# Altium PCB Remotor_v1.0.PcbDoc (continued)
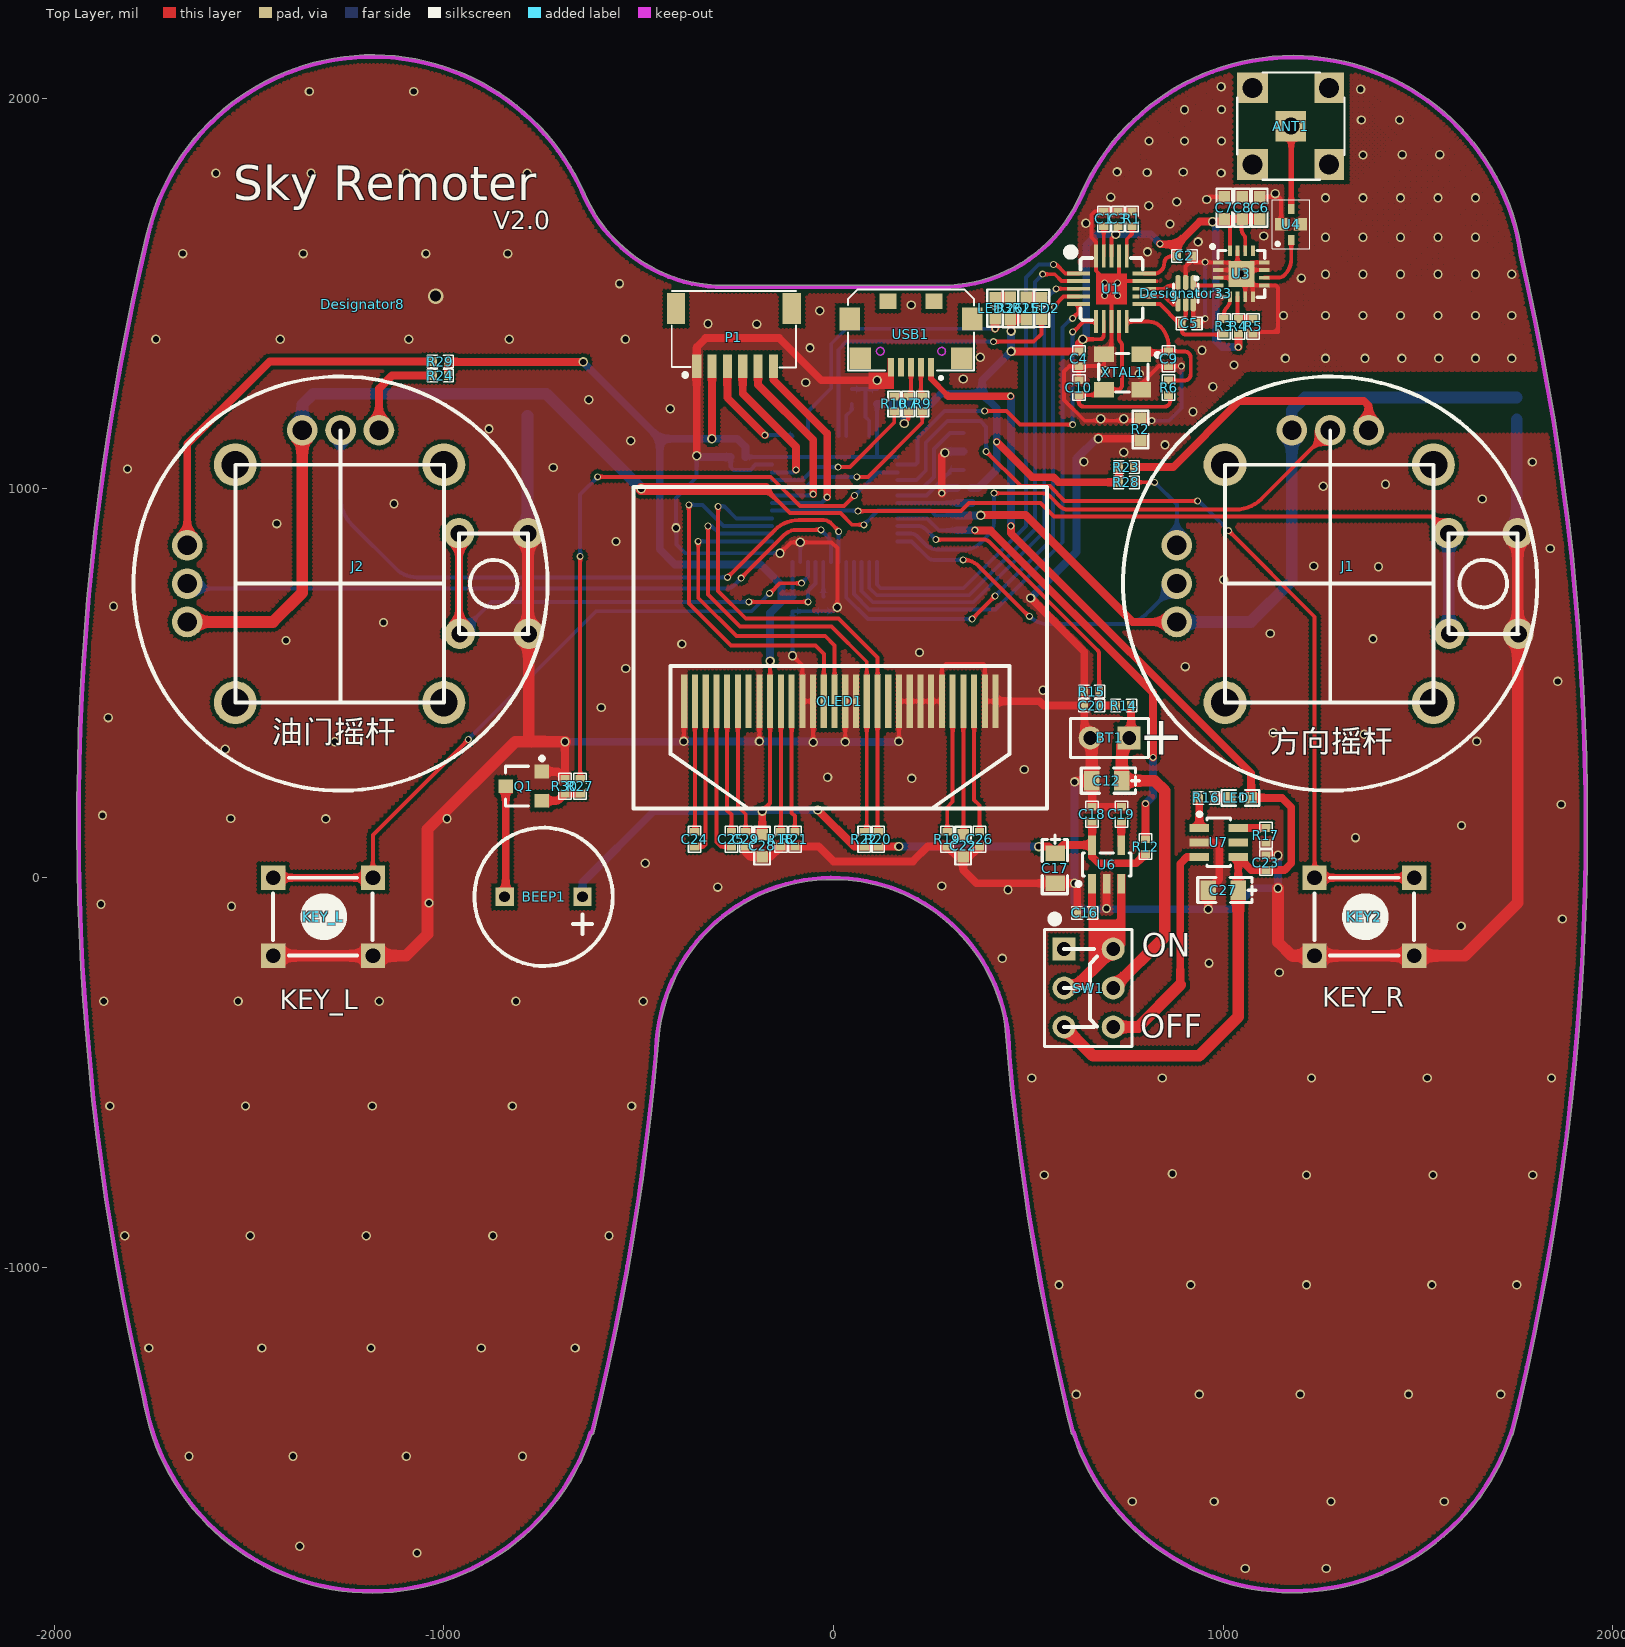
[diagram p0: Top Layer view]
## Nets (pads, with @x,y where several pads share a name; then routed paths per layer and width w, separated by ;. In a path a pad name is that pad's centre, name@x,y a point inside that pad or via, vN(x,y) a via of type N, cw(c..) or ccw(c..) an arc to the next point about the centre after c; other vN are vias at no path point) (continued)
3.3VA: C13.2 R12.2 U5.9 | length 1224.1
  Top Layer w20: v2(363,892) 364,891 403.53,891 820,474.53 v2(820,309) ; R12.2 v2(801,190)
  Bottom Layer w10: U5.9 240.48,922.52 271,892 C13.2
  Bottom Layer w20: C13.2 v2(363,892) ; v2(801,190) 820,209 v2(820,309)
5V: C23.2 C27.1 LED1.1 SW1.3 U7.4 USB1.1 | length 2879.4
  Top Layer w15: USB1.1 250.18,1280.82 293,1238
  Top Layer w20: 293,1238 295,1236 v2(455,1236) ; v2(455.47,903) 455.47,884.53 1072,268 LED1.1 1151,205 1175,181 1175,37 1158,20 C23.2 1072.2,20 U7.4 C27.1
  Top Layer w30: SW1.3 666,-457 939,-457 1039,-357 C27.1
  Bottom Layer w20: v2@455.47,901 v2(455.47,903) v2@455.47,1231.47
ADC_BAT: C20.1 R14.2 R15.1 U5.10 | length 830.3
  Top Layer w10: v2(263,868) 386.93,868 cw(c386.93,850.93) 399,863 677.05,584.95 cw(c665.1,573) 682,573 R15.1
  Top Layer w20: R15.1 C20.1 R14.2
  Bottom Layer w10: U5.10 217.09,902.83 cw(c217.09,876.09) 235.98,895.02 v2(263,868)
ADC_PITCH: J1.2 U5.12 | length 835.4
  Top Layer w10: v2(333,816) cw(c333,758.06) 373.97,799.03 502,671 v2(503,671)
  Bottom Layer w10: U5.12 200.54,863.46 242,822 ccw(c256.49,836.49) 256.49,816 v2@331.47,816 ; v2(503,671) ccw(c551.28,719.28) 551.28,651 735.88,651 ccw(c735.88,751) 806.59,680.29 812.28,685.98 J1.2
ADC_ROLL: J1.5 U5.11 | length 1329.5
  Top Layer w10: v2(412,987) 535,987 cw(c535,955.62) 557.18,977.82 582,953 ccw(c601.31,972.31) 601.31,945 1032,945 ccw(c1032,1039.88) 1099.08,972.78 J1.5
  Bottom Layer w10: U5.11 199.15,883.15 cw(c199.15,862.15) 213.99,877.01 236,855 ccw(c264.97,883.97) 264.97,843 339.79,843 ccw(c339.79,894.21) 375.99,857.99 399.98,881.98 ccw(c370.96,911) 412,911 v2(412,987)
ADC_THRUST: J2.2 U5.19 | length 1785.2
  Top Layer w10: v2(-237,769) -126.43,879.56 cw(c-94,847.13) -94,893 v2(-32,893)
  Bottom Layer w10: J2.2 -1643.7,740 -1641.7,742 -274,742 ccw(c-274,766.14) -256.93,749.07 v2(-237,769) ; v2(-32,893) -32,892 -15.5,875.5 cw(c-37.41,853.59) -6.42,853.59 U5.19
ADC_YAW: J2.5 U5.18 | length 1699.9
  Top Layer w10: v2(-272,771) -150.46,892.54 cw(c-89,831.09) -89,918 -26,918 cw(c-26,889.03) -5.53,909.53 ; -5.51,909.51 13.26,890.74 v2(13.26,888.74)
  Bottom Layer w10: J2.5 -1265,976.42 ccw(c-1165,976.42) -1235.71,905.71 -1123.5,793.5 ccw(c-1069.18,847.82) -1069.18,771 v2(-272,771) ; U5.18 v2(13.26,888.74)
AGND: C13.1 Designator15.2 Designator16.2 J1.1 J1.4 J2.1 J2.4 U5.8 | length 4706.9
  Top Layer w10: -174,998 -112,936 18,936 48,906 v2(78,906)
  Top Layer w20: v1(378,930) 379,931 493,931 767.43,656.57 J1.1
  Top Layer w30: J2.1 -1438.43,656.57 -1363.43,731.57 J2.4 ; v1(-493,998) -174,998
  Bottom Layer w10: v2(78,906) 114.2,942.2 U5.8 249.8,942.2 262,930 C13.1
  Bottom Layer w20: C13.1 v1(378,930)
  Bottom Layer w30: J2.4 -1363.43,1214.57 -1335.5,1242.5 Designator15.2 -737.5,1242.5 v1(-493,998) ; J1.1 1071.57,656.57 1176.57,761.57 J1.4 1176.57,1199.57 1209.5,1232.5 Designator16.2
ANT: U3.10 U4.4 | length 340.1
  Top Layer w10: U3.10 1141.48,1540.16 ; U4.4 1175,1588.04 ; 1141.48,1540.16 ccw(c1141.48,1563.52) 1158,1547 ; 1141.48,1540.16 ccw(c1141.48,1563.52) 1158,1547 ; 1141.48,1540.16 ccw(c1141.48,1563.52) 1158,1547 ; 1141.48,1540.16 ccw(c1141.48,1563.52) 1158,1547 ; 1158,1547 ccw(c1116.96,1588.04) 1175,1588.04 ; 1158,1547 ccw(c1116.96,1588.04) 1175,1588.04 ; 1158,1547 ccw(c1116.96,1588.04) 1175,1588.04 ; 1158,1547 ccw(c1116.96,1588.04) 1175,1588.04
BAT: BT1.1 C12.1 R14.1 SW1.5 | length 884.4
  Top Layer w20: BT1.1 764,364 R14.1
  Top Layer w30: SW1.5 850,-150.98 850,223 823.94,249.06 C12.1 740,340 BT1.1
BAT_CHG: SW1.4 U7.3 | length 583.9
  Top Layer w20: 890,-275 890,36 907.2,53.2 U7.3
  Top Layer w30: SW1.4 782,-383 890,-275
BEEP: R27.2 U5.3 | length 1630.8
  Top Layer w10: R27.2 v2(-650,825) ; v2(-605,1029) -161,1029 -86,954 27,954 v2(54,981)
  Bottom Layer w10: v2(-650,825) -650,984 v2(-605,1029) ; v2(54,981) 54.5,980.5 114.63,1040.63 U5.3
GND: BT1.2 C11.1 C12.2 C14.1 C15.1 C16.1 C17.2 C18.1 C19.1 C20.2 C21.2 C22.1 C23.1 C26.1 C27.2 C28.1 C29.1 Designator15.1 Designator16.1 J1.J1 J2.J1 KEY2.2 KEY_L.2 OLED1.1 OLED1.8 OLED1.12 OLED1.13 OLED1.16 OLED1.17 OLED1.21 OLED1.22 OLED1.23 OLED1.24 OLED1.25 OLED1.29 OLED1.30 P1.1 Q1.1 R2.2 R8.1 R13.2 R15.2 R17.1 R18.1 R19.1 R21.1 R30.2 U5.23 U5.35 U5.47 U6.2 U7.2 USB1.5 X1.2 | length 12737.8
  Top Layer w10: v1(-383.91,349.91) -383.91,452.09 OLED1.1 ; v1(-190.09,349.91) OLED1.8 ; v1(-137,833) -109.16,860.84 v1(-85.16,860.84) -4.84,860.84 10,846 v1(10,694) ; v1(-105,570) -79.85,544.85 OLED1.12 OLED1.13 -52.29,348.29 v1(-52,348) ; v1(30.39,348.61) OLED1.16 OLED1.17 ; v1@118.36,1277 140,1277 147.82,1284.82 USB1.5 ; v1(167.91,349.91) 168.18,350.18 OLED1.21 OLED1.22 OLED1.23 OLED1.24 OLED1.25 278.42,538.42 289,549 385,549 388.65,545.35 OLED1.29 OLED1.30
  Top Layer w20: Q1.1 -707.4,272.4 R30.2 v1(-689,349) ; v1(-351,1083) P1.1 -351,1362 -328,1385 -139,1385 -31,1277 v1(112,1277) v1@118.36,1277 ; C29.1 -225,65 -214,54 C28.1 -161.03,54 R18.1 R21.1 -38.03,80.03 0,42 204,42 242.03,80.03 R19.1 318.03,54 C22.1 ; v2@279,986 v2(278,987) 278,1083 v1(286,1091) ; C26.1 348.97,54 C22.1 ; OLED1.30 529,453 540,442 C20.2 ; v1(506,718) 644,580 R15.2 C20.2 ; v1(619,246) 622.06,249.06 C12.2 664,248.06 C18.1 C19.1@738,182 ; C16.1 626,-21 v1(619,-14) C17.2 367,-14 333,20 C22.1 ; BT1.2 644,374 C20.2 ; v1@680,1132 v1(680,1127) R2.2@780,1127 ; v1(701,-79) 701,-16.4 U6.2 ; U7.2 978.4,90.6 990,79 990,-3.94 C27.2 v1(962,-81) ; C23.1 v1(1141,58)
  Top Layer w30: KEY_L.2@-1438,-200 -1182.09,-200 -1097,-200 -1042,-145 -1042,124 -817,349 -775,349 ; J2.J1@-783.83,883.91 -783.83,627.83 -782,626 -782,356 -775,349 ; v1(-689,349) -775,349 ; BT1.2 663,355 C12.2 ; v1(1141,-27) 1141,-165 1176,-200 1235,-200 1490.91,-200 1620,-200 1756.17,-63.83 J1.J1@1756.17,883.91
  Bottom Layer w10: v1(-404,898) -404,975 -351,1028 v1(-351,1083) ; v1@-403,898 -403,855 -381,833 v1(-137,833) ; C14.1 -264,1055 -256,1047 -213,1047 -199.69,1060.31 U5.35 ; v1(-105,570) C21.2 R13.2 0,684 v1(10,694) ; U5.23 v1(-85.16,860.84) ; R8.1 81,1254 ; U5.47 92,1173 82,1183 82,1253 81,1254 ; v1(112,1277) C11.1 81,1254 ; v1@283,1091 v1(286,1091)
  Bottom Layer w20: v1(-689,349) -384.83,349 v1(-383.91,349.91) v1(-190.09,349.91) -53.91,349.91 -52.61,348.61 v1(30.39,348.61) 166.61,348.61 v1(167.91,349.91) ; v1(-351,1083) -348,1080 C14.1 ; v2(278,987) 291,1000 C15.1 ; v1(286,1091) 289,1094 X1.2 ; v1(506,718) 624,836 624,1076 679,1131 680,1130 v1(680,1127) ; v1(619,246) v1(619,-14) 619,-63 637,-81 v1(962,-81) 1025,-81 1079,-27 v1(1141,-27) v1(1141,58)
  Bottom Layer w30: Designator15.1 -785,885.07 J2.J1@-783.83,883.91 ; Designator16.1 1754,886.07 J1.J1@1756.17,883.91
  other v1: 1057,-1773 1265,-1773 -1069,-1733 -1370,-1716 767,-1601 977,-1601 1277,-1601 1568,-1601 -1654,-1485 -1387,-1485 -1096,-1485 -798,-1485 623,-1326 939,-1326 1198,-1326 1476,-1326 1713,-1326 -1757,-1207 -1467,-1207 -1187,-1207 -904,-1207 -663,-1207 579,-1045 917,-1045 1214,-1045 1536,-1045 1754,-1045 -1819,-919 -1497,-919 -1199,-919 -874,-919 -576,-919 541,-763 1214,-763 1539,-763 1795,-763 870,-760 -1857,-586 -1509,-586 -1184,-586 -824,-586 -518,-586 509,-514 844,-514 1227,-514 1524,-514 1843,-514 -1873,-317 -1528,-317 -1166,-317 -815,-317 -488,-317 1144,-243 964,-219 433,-207 1611,-124 1871,-106 -1545,-73 -1880,-68 -1038,-65 448,-31 -297,-24 278,-21 -483,37 1340,103 1612,134 -1303,151 -1547,152 -992,151.64 -1876,160 1868,188 201,255 -15,258 490,278 -1561,330 -1280,349 1651,350 1362,368 1129,372 -1861,411 -596,437 538,481 1859,504 -533,537 903,542 221,578 -389,600 -1405,609 1385,613 1121,627 -1155,655 -1848,697 1002,765 1399,798 1233,800 1840,845 -558,863 -1429,909 -1128,960 1665,972 1257,1005 1417,1010 -1812,1049 -719,1053 1794,1067 642.85,1068 745,1092 851,1111 -520,1121.37 -884,1152 -419,1204 -628,1227 -71,1271 333,1280 377,1336 -60,1360 -1739,1382 -1420,1382 -1090,1382 -832,1382 -534,1382 -197,1421 -322,1422 -35,1455 200,1470 -549,1525 -1670,1602 -1361,1602 -1046,1602 -836,1602 -1585,1808 -1341,1808 -1096,1808 -786,1808 -1345,2018 -1077,2018
  other v3: -1021,1493
KEY_L: KEY_L.1 U5.22 | length 1795.3
  Top Layer w10: KEY_L.1@-1182.09,0 -1182.09,109.91 v2(-937,355) ; v2(-164,730) -163,730 -137,756 v2(-82,756)
  Top Layer w20: KEY_L.1@-1438,0 KEY_L.1@-1182.09,0
  Bottom Layer w10: v2(-937,355) -937,356 -609,684 -209.89,684 -164,729.89 v2(-164,730) ; v2(-82,756) -65.48,772.52 U5.22
KEY_R: KEY2.1 U5.4 | length 2344.8
  Top Layer w10: v2(392,1094) 481,1005 555.46,1005 593.46,967 v2(935,967) ; v2(1014,891) 1235,670 KEY2.1@1235,0
  Top Layer w20: KEY2.1@1235,0 KEY2.1@1490.91,0
  Bottom Layer w10: U5.4 212.94,1020.94 237,1045 237,1117 292,1172 377,1172 392,1157 v2(392,1094) ; v2@936.5,968.5 v2(1014,891)
KEY_STICK1: J2.J2 U5.21 | length 1297.1
  Top Layer w10: v2(-217,708) v2(-65,708)
  Top Layer w20: J2.J2@-961,883.91 -961,627.83 J2.J2@-959.17,626
  Bottom Layer w10: J2.J2@-959.17,626 -877.17,708 v2(-217,708) ; v2(-65,708) -65,736 -45.79,755.21 U5.21
KEY_STICK2: J1.J2 U5.29 | length 2037.2
  Top Layer w10: v2(63,941) 327,941 348,962 531,962 566,927 1535.91,927 J1.J2@1579,883.91
  Bottom Layer w10: U5.29 61.8,942.2 v2(63,941)
  Bottom Layer w30: J1.J2@1579,883.91 1579,627.83 J1.J2@1580.83,626
LED0: LED2.2 U5.43 | length 797.7
  Top Layer w10: v2(411,1376) 514,1376 534,1396 LED2.2
  Bottom Layer w10: U5.43 13.26,1355.26 34,1376 v2(411,1376)
LED1: LED3.2 U5.39 | length 724.2
  Top Layer w20: LED3.2 414.94,1409.06 v2(415,1409)
  Bottom Layer w10: U5.39 -65.48,1197 -5.5,1256.98 -5.5,1370.5 33,1409 v2(415,1409)
N_GND: C1.1 C2.1 C3.1 C4.1 C5.2 C6.2 C7.2 C8.2 C9.2 C10.1 Designator33.2 Designator33.6 R1.2 R2.1 R5.1 U1.8 U1.14 U1.17 U1.20 U3.1 U3.2 U3.3 U3.7 U3.8 U3.9 U3.11 U3.12 U3.15 U3.17 U4.1 U4.3 XTAL1.2 XTAL1.4 | length 2961.8
  Top Layer w8: U1.14 U1.14@797.74,1531.59
  Top Layer w10: C10.1 C4.1 ; XTAL1.2@676.5,1343.5 XTAL1.2 ; C1.1 671,1710 662,1701 662,1644 674,1632 U1.20 674,1558 713.37,1518.63 713.37,1510.13 ; U1.17 v2@733.06,1532.06 ; XTAL1.4 790,1267 836,1313 C9.2 v2(893,1313) ; U1.14 v2@733.04,1531.32 ; v2(817,1173) 745,1173 645,1173 592,1226 592,1299 606,1313 C4.1 ; Designator33.2 904,1568.8 920,1584.8 920,1588 928.47,1579.53 U3.1 1017.47,1579.53 U3.17@1037.16,1559.84 ; Designator33.6 923.69,1431.31 C5.2 942,1423 v2(954,1435) ; v2@952,1582 v2(954,1580) ; v1@952,1734 965.5,1747.5 C7.2 ; U3.3 1037.16,1540.16 v1(1047,1550) ; U3.2 U3.17@1037.16,1559.84 ; U3.15 U3.17@1037.16,1559.84 ; U3.7 U3.17@1056.84,1527.99 ; U3.8 U3.17@1076.53,1520.47 ; R5.1@1077,1401 1141,1401 1141,1511 ccw(c1131.53,1511) 1131.53,1520.47 U3.9 U3.17@1076.53,1520.47 ; C6.2 1138.5,1747.5 cw(c1138.5,1737) 1149,1737 1149,1678 ccw(c1150,1678) U4.1 U4.3 ; U3.11 1056.84,1559.84 ccw(c1056.84,1550) v1(1047,1550) ; U3.12 1076.53,1579.53 ccw(c1076.53,1550) v1(1047,1550) ; C4.1 688,1313 ; 688,1313 ccw(c688,1320) 695,1320 ; 688,1313 ccw(c688,1320) 695,1320 ; 695,1320 XTAL1.2@695,1342.5 ; XTAL1.2@695,1342.5 ccw(c695,1360.87) XTAL1.2@713.37,1360.87 ; XTAL1.2@695,1342.5 ccw(c695,1360.87) XTAL1.2@713.37,1360.87 ; XTAL1.2@713.37,1360.87 U1.8 713.37,1510.13 ; 713.37,1510.13 ccw(c711,1532.06) v2@733.04,1531.32 ; 713.37,1510.13 ccw(c711,1532.06) v2@733.04,1531.32 ; v2@733.04,1531.32 ccw(c711,1532.06) v2@733.06,1532.06 ; v2@733.04,1531.32 ccw(c711,1532.06) v2@733.06,1532.06 ; U3.17@1037.16,1559.84 v1(1047,1550) ; v1(1047,1550) ccw(c1076.53,1550) U3.17@1056.84,1527.99 ; U3.17@1056.84,1527.99 ccw(c1076.53,1550) U3.17@1076.53,1520.47 ; 1127.34,1401 ccw(c1127.34,1414.66) 1141,1414.66 ; 1127.34,1401 ccw(c1127.34,1414.66) 1141,1414.66 ; 1127.34,1401 ccw(c1127.34,1414.66) 1141,1414.66
  Top Layer w20: C1.1 C3.1 R1.2
  Bottom Layer w10: v2(817,1173) 861,1173 893,1205 v2(893,1313) ; v2(954,1435) v2(954,1580)
  other v1: 686,1178 745,1178 923,1196 974,1260 785,1293 698,1302 1028,1316 1160,1333 1263,1333 1364.5,1333 1459,1333 1553.5,1333 1648,1333 1741,1333 946,1354 1155,1443 1263,1443 1359.25,1443 1455.5,1443 1551.75,1443 1648,1443 1741,1443 1201,1539 1263,1549 1359.25,1549 1455.5,1549 1551.75,1549 1648,1549 1741,1549 806,1606.34 936,1632 1263,1644 1359.25,1644 1455.5,1644 1551.75,1644 1648,1644 1104.75,1647 864,1678 648,1680 809,1725 881,1735 958,1741 1263,1745 1359.25,1745 1455.5,1745 1551.75,1745 1648,1745 712,1747 1134,1756 995,1809 805.03,1810 898,1811.32 728,1811.61 1359,1854.86 1460,1856 1556,1856 810,1891 901,1891 996,1891 1355,1945 1453,1945 901,1971 996,1972 1353,2024 995,2030
  other v2: 696,1494 729,1494 696,1527 729,1527
NetANT1_1: ANT1.1 U4.2 | length 212.4
  Top Layer w15: ANT1.1 1175,1928 U4.2
NetBEEP1_2: BEEP1.2 Q1.3 | length 285.1
  Top Layer w20: BEEP1.2 -841.26,-46.26 Q1.3
NetC1_2: C1.2 U1.19 | length 76.1
  Top Layer w10: U1.19 693.69,1671.69 C1.2
NetC5_1: C5.1 Designator33.5 R3.1 U1.11 | length 315.5
  Top Layer w10: U1.11 837.74,1472.26 887,1423 C5.1 ; Designator33.5@904,1484.28 Designator33.5 904,1433 C5.1 ; R3.1 cw(c1000,1396) 1000,1394 905,1394 cw(c905,1405) 894,1405 C5.1
NetC16_2: 
NetC19_2: C19.2 U6.4 | length 61.2
  Top Layer w20: C19.2@738,144 C19.2@738.8,143.2 ; U6.4 C19.2@738.8,143.2 ; C19.2 738.8,143.8 C19.2@738.8,143.2
NetC22_2: C22.2 OLED1.27 | length 342.7
  Top Layer w10: C22.2 333.54,110.97 OLED1.27
NetC24_1: C24.1 OLED1.3 | length 398.1
  Top Layer w10: C24.1 -332.97,80.03 -327.88,85.12 OLED1.3
NetC24_2: C24.2 OLED1.2 | length 335.2
  Top Layer w10: C24.2 -355.44,118.59 OLED1.2
NetC25_1: C25.1 OLED1.5 | length 339.4
  Top Layer w10: OLED1.5 -272.76,172.76 -262,162 C25.1
NetC25_2: C25.2 OLED1.4 | length 404.7
  Top Layer w10: OLED1.4 -300.32,91.32 -289.03,80.03 C25.2
NetC26_2: C26.2 OLED1.28 | length 340.7
  Top Layer w10: OLED1.28 361.09,199.91 375,186 C26.2
NetJ1_3: J1.3 R28.1 | length 238.3
  Top Layer w10: R28.1 v2(824,1015)
  Bottom Layer w10: v2(824,1015) 881.3,957.7 J1.3
NetJ1_6: J1.6 R23.2 | length 740.9
  Top Layer w20: R23.2 872,1054 1042,1224 1361,1224 1373.43,1211.57 J1.6
NetJ2_3: J2.3 R29.1 | length 978.3
  Top Layer w20: J2.3 -1658.7,1113.3 -1447,1325 R29.1
NetJ2_6: J2.6 R24.2 | length 259.2
  Top Layer w20: J2.6 -1166.57,1255.43 -1133,1289 R24.2
NetLED1_2: LED1.2 R16.2 | length 41.5
  Top Layer w20: R16.2 1017.44,205 LED1.2
NetLED2_1: LED2.1 R25.2 | length 42.8
  Top Layer w10: R25.2@492.06,1496.53 R25.2@495.06,1496.53
  Top Layer w20: R25.2@495.06,1490.5 532.06,1490.5 LED2.1
NetLED3_1: LED3.1 R26.2 | length 41.6
  Top Layer w10: R26.2@454.06,1497 R26.2@456,1497
  Top Layer w20: LED3.1 452.56,1489 R26.2@454.06,1490.5
NetOLED1_10: OLED1.10 R18.2 | length 335
  Top Layer w10: R18.2@-134.97,118.06 OLED1.10
NetOLED1_11: OLED1.11 R21.2 | length 338.5
  Top Layer w10: OLED1.11 -107.41,166.41 -99,158 R21.2
NetOLED1_26: OLED1.26 R19.2 | length 340.8
  Top Layer w10: R19.2 292,181 305.98,194.98 OLED1.26
NetQ1_2: Q1.2 R27.1 R30.1 | length 106.4
  Top Layer w20: Q1.2 -707.4,197.6 R30.1 R27.1
NetR1_1: R1.1 U1.16 | length 81.5
  Top Layer w10: U1.16 752.74,1638.74 766,1652 R1.1
NetR3_2: R3.2 U3.5 | length 120.4
  Top Layer w10: R3.2@1002,1439 1002,1444.69 ; U3.5 1017.47,1482.04 cw(c991.96,1482.04) 1010,1464 ; 1002,1444.69 cw(c1029.31,1444.69) 1010,1464 ; 1002,1444.69 cw(c1029.31,1444.69) 1010,1464 ; 1002,1444.69 cw(c1029.31,1444.69) 1010,1464 ; 1002,1444.69 cw(c1029.31,1444.69) 1010,1464
NetR4_1: R4.1 R5.2 U3.6 | length 108.9
  Top Layer w10: U3.6 1037.16,1444.65 ; 1037.16,1444.65 ccw(c1045.15,1444.65) R4.1@1039.5,1439 ; 1037.16,1444.65 ccw(c1045.15,1444.65) R4.1@1039.5,1439 ; 1037.16,1444.65 ccw(c1045.15,1444.65) R4.1@1039.5,1439 ; 1037.16,1444.65 ccw(c1045.15,1444.65) R4.1@1039.5,1439
  Top Layer w20: R4.1 R5.2
NetR7_1: R7.1 R10.1 USB1.3 | length 113.9
  Top Layer w10: R10.1 R7.1 199,1242 USB1.3
NetR8_2: R8.2 U5.44 | length 88.7
  Bottom Layer w10: U5.44 32.95,1185.95 47,1200 R8.2
NetR9_1: R9.1 USB1.2 | length 76.4
  Top Layer w10: USB1.2 224.59,1238.41 R9.1
NetR13_1: R13.1 U5.20 | length 88.4
  Bottom Layer w10: U5.20 -26.11,722.11 R13.1
NetR16_1: R16.1 U7.1 | length 77.4
  Top Layer w20: R16.1 939,204 U7.1
NetR17_2: R17.2 U7.6 | length 71
  Top Layer w20: U7.6 R17.2
NetU1_12: Designator33.4 U1.12 | length 133.7
  Top Layer w10: U1.12 843.06,1491.95 ; Designator33.4 869.56,1472.44 855,1487 ; 843.06,1491.95 cw(c843.06,1475.06) 855,1487 ; 843.06,1491.95 cw(c843.06,1475.06) 855,1487 ; 843.06,1491.95 cw(c843.06,1475.06) 855,1487 ; 843.06,1491.95 cw(c843.06,1475.06) 855,1487
NetU1_13: Designator33.3 U1.13 | length 153.8
  Top Layer w10: U1.13 845.86,1511.63 ; Designator33.3@884.32,1519.72 865.39,1519.72 ; 845.86,1511.63 ccw(c845.86,1523.14) 854,1515 ; 845.86,1511.63 ccw(c845.86,1523.14) 854,1515 ; 845.86,1511.63 ccw(c845.86,1523.14) 854,1515 ; 845.86,1511.63 ccw(c845.86,1523.14) 854,1515 ; 854,1515 cw(c865.39,1503.61) 865.39,1519.72 ; 854,1515 cw(c865.39,1503.61) 865.39,1519.72 ; 854,1515 cw(c865.39,1503.61) 865.39,1519.72 ; 854,1515 cw(c865.39,1503.61) 865.39,1519.72
NetU2_1: Designator33.1 U3.4 | length 68.3
  Top Layer w10: U3.4 Designator33.1@924.44,1520.47 ; Designator33.1@923.69,1519.72 cw(c924.44,1519.72) Designator33.1@924.44,1520.47 ; Designator33.1@923.69,1519.72 cw(c924.44,1519.72) Designator33.1@924.44,1520.47 ; Designator33.1@923.69,1519.72 cw(c924.44,1519.72) Designator33.1@924.44,1520.47 ; Designator33.1@923.69,1519.72 cw(c924.44,1519.72) Designator33.1@924.44,1520.47
NetU5_5: U5.5 X1.1 | length 268.7
  Bottom Layer w10: U5.5 230.26,1001.26 258,1029 258,1100 299.24,1141.24 X1.1
NetU5_6: U5.6 X1.3 | length 196.2
  Bottom Layer w10: U5.6 238.57,981.57 303.76,1046.76 X1.3
NRF_CE: U1.1 U5.13 | length 1306.6
  Top Layer w10: v2(565,1574) 572,1574 595,1551 U1.1
  Bottom Layer w10: U5.13 111.69,752.31 121,743 334,743 494,903 494,1541 527,1574 v2(565,1574)
NRF_CSN: U1.2 U5.14 | length 1331.7
  Top Layer w10: v2(537,1549) 568,1549 585.68,1531.32 U1.2
  Bottom Layer w10: U5.14 92,744.16 111.16,725 348,725 517,894 517,1529 v2(537,1549)
NRF_IRQ: U1.6 U5.2 | length 867.3
  Top Layer w10: v2(388,1198) 444,1198 479,1163 v2(614,1163) ; v2(614,1401) 616,1401 642.26,1427.26 U1.6
  Bottom Layer w10: U5.2 210.31,1060.31 216,1066 216,1129 285,1198 v2(388,1198) ; v2(614,1163) 614,1399 613,1400 v2(614,1401)
NRF_MISO: U1.5 U5.16 | length 1335.2
  Top Layer w10: v2(614,1436) 629,1451 U1.5
  Bottom Layer w10: U5.16 52.63,727.85 91.48,689 416,689 588,861 588,1413 611,1436 v2(614,1436)
NRF_MOSI: U1.4 U5.17 | length 1406.1
  Top Layer w10: v2(356,664) v2(415,723) v2@409,723 ; v2(568,1465) 568,1469 590.95,1491.95 U1.4
  Bottom Layer w10: U5.17 32.95,719.7 88.64,664 v2(356,664) ; v2(415,723) 564,872 564,1461 v2(568,1465)
NRF_SCK: U1.3 U5.15 | length 1323.1
  Top Layer w10: v2(571.63,1511.63) U1.3
  Bottom Layer w10: U5.15 72.32,736.01 101.32,707 359,707 541,889 541,1481 v2(571.63,1511.63)
O_CLK: OLED1.18 R22.2 U5.26 | length 1266.3
  Top Layer w10: v2(-322,903) -322,727 -240,645 -5,645 85.5,554.5 OLED1.18 85.5,124.54 R22.2
  Bottom Layer w10: v2(-322,903) -313,903 -293.15,883.15 U5.26
O_DC: OLED1.15 U5.25 | length 877.9
  Top Layer w10: v2(-347,863.46) -347,718 -249,620 -21,620 2.83,596.17 OLED1.15
  Bottom Layer w10: v2(-347,863.46) U5.25
O_MOSI: OLED1.19 R20.1 U5.28 | length 1295.3
  Top Layer w10: v2(-296,953) -296,736 -225,665 13,665 113.06,564.94 OLED1.19 113.06,119.97 R20.1
  Bottom Layer w10: v2(-296,953) -280,953 -249.52,922.52 U5.28
O_RST: OLED1.14 U5.27 | length 1010
  Top Layer w10: v2(-371,957) -371,704 -263,596 -46,596 -24.73,574.73 OLED1.14
  Bottom Layer w10: v2(-371,957) -336,957 -281.83,902.83 U5.27
RST: C15.2 R11.1 U5.7 | length 191.2
  Bottom Layer w10: U5.7 270.89,961.89 271,962 C15.2
  Bottom Layer w20: C15.2 R11.1
SWD_CLK: P1.3 U5.37 | length 289.2
  Top Layer w20: P1.3 -272.26,1232.26 v2(-176,1136)
  Bottom Layer w10: v2(-176,1136) -107.7,1136 U5.37
SWD_DIO: P1.4 U5.34 | length 387.3
  Top Layer w20: P1.4 -232.89,1242.89 -96,1106 v2(-96,1047)
  Bottom Layer w10: U5.34 -102.37,1040.63 v2(-96,1047)
USART_RX: P1.5 U5.31 | length 494.5
  Top Layer w20: P1.5 -193.52,1265.52 -51.91,1123.91 v2(-51.91,984.41)
  Bottom Layer w10: U5.31 -54.75,981.57 v2(-51.91,984.41)
USART_TX: P1.6 U5.30 | length 541.5
  Top Layer w20: P1.6 -154.15,1278.15 -16,1140 v2(-16,977)
  Bottom Layer w10: U5.30 -31.11,961.89 v2(-16,977)
USB_DM: R9.2 U5.32 | length 484.1
  Top Layer w10: v2(60,1029) 89,1029 228,1168 R9.2
  Bottom Layer w10: U5.32 -71.74,1001.26 -44,1029 v2(60,1029)
USB_DP: R10.2 U5.33 | length 403.9
  Top Layer w10: v2(12,1054) 42,1054 156,1168 R10.2
  Bottom Layer w10: U5.33 -79.06,1020.94 -46,1054 v2(12,1054)
VCC: C16.2 SW1.2 SW1.6 U6.1 U6.3 | length 496.7
  Top Layer w20: U6.1 664,-102 685,-123 723,-123 ; 717.98,-128.02 723,-123 ; U6.3 738.8,-107.2 723,-123
  Top Layer w30: SW1.2 617.98,-283 SW1.6 717.98,-128.02
XC1: C9.1 R6.2 U1.10 XTAL1.1 | length 825.6
  Top Layer w10: U1.10 809.4,1427.26 ; XTAL1.1 XTAL1.1@795,1343.5 ; XTAL1.1@795,1343.5 cw(c813.11,1325.39) XTAL1.1@813.11,1351 ; XTAL1.1@795,1343.5 cw(c813.11,1325.39) XTAL1.1@813.11,1351 ; XTAL1.1@795,1343.5 cw(c813.11,1325.39) XTAL1.1@813.11,1351 ; XTAL1.1@795,1343.5 cw(c813.11,1325.39) XTAL1.1@813.11,1351 ; XTAL1.1@795,1343.5 821,1343.5 828.5,1351 ; 809.4,1427.26 cw(c809.4,1385.4) 839,1415 ; 809.4,1427.26 cw(c809.4,1385.4) 839,1415 ; 809.4,1427.26 cw(c809.4,1385.4) 839,1415 ; 809.4,1427.26 cw(c809.4,1385.4) 839,1415 ; XTAL1.1@813.11,1351 828.5,1351 ; 828.5,1351 C9.1 ; 839,1415 cw(c788.3,1364.3) 860,1364.3 ; 839,1415 cw(c788.3,1364.3) 860,1364.3 ; 839,1415 cw(c788.3,1364.3) 860,1364.3 ; 839,1415 cw(c788.3,1364.3) 860,1364.3 ; C9.1 860,1364.3 ; C9.1 900,1351 ; R6.2@861,1276 cw(c861,1277) R6.2 ccw(c861,1277) R6.2@861,1276 ; R6.2@861,1276 900,1276 ; 900,1276 ccw(c900,1293) 917,1293 ; 900,1276 ccw(c900,1293) 917,1293 ; 900,1351 cw(c900,1334) 917,1334 ; 900,1351 cw(c900,1334) 917,1334 ; 917,1293 917,1334
XC2: C10.2 R6.1 U1.9 XTAL1.3 | length 904.4
  Top Layer w10: U1.9 733.06,1383.11 ; 630,1221 ccw(c642,1221) 642,1209 ; 630,1221 ccw(c642,1221) 642,1209 ; 630,1221 ccw(c642,1221) 642,1209 ; 630,1221 ccw(c642,1221) 642,1209 ; 630,1221 C10.2 XTAL1.3@680.5,1239 ; 642,1209 850,1209 ; XTAL1.3@680.5,1239 ccw(c680.5,1252.5) XTAL1.3 ; XTAL1.3@680.5,1239 ccw(c680.5,1252.5) XTAL1.3 ; XTAL1.3@680.5,1239 ccw(c680.5,1252.5) XTAL1.3 ; XTAL1.3@680.5,1239 ccw(c680.5,1252.5) XTAL1.3 ; XTAL1.3 729.96,1252.5 ; 729.96,1252.5 ccw(c729.96,1261.04) 736,1255 ; 729.96,1252.5 ccw(c729.96,1261.04) 736,1255 ; 729.96,1252.5 ccw(c729.96,1261.04) 736,1255 ; 729.96,1252.5 ccw(c729.96,1261.04) 736,1255 ; 733.06,1383.11 ccw(c743.11,1383.11) 736,1376 ; 733.06,1383.11 ccw(c743.11,1383.11) 736,1376 ; 733.06,1383.11 ccw(c743.11,1383.11) 736,1376 ; 733.06,1383.11 ccw(c743.11,1383.11) 736,1376 ; 736,1255 ccw(c723.93,1267.07) 741,1267.07 ; 736,1255 ccw(c723.93,1267.07) 741,1267.07 ; 736,1255 ccw(c723.93,1267.07) 741,1267.07 ; 736,1255 ccw(c723.93,1267.07) 741,1267.07 ; 736,1376 cw(c723.93,1363.93) 741,1363.93 ; 736,1376 cw(c723.93,1363.93) 741,1363.93 ; 736,1376 cw(c723.93,1363.93) 741,1363.93 ; 736,1376 cw(c723.93,1363.93) 741,1363.93 ; 741,1267.07 741,1363.93 ; 850,1209 ccw(c850,1223) 864,1223 ; 850,1209 ccw(c850,1223) 864,1223 ; 850,1209 ccw(c850,1223) 864,1223 ; 850,1209 ccw(c850,1223) 864,1223 ; R6.1 cw(c860,1235) R6.1@864,1235 ; R6.1 cw(c860,1235) R6.1@864,1235 ; R6.1 cw(c860,1235) R6.1@864,1235 ; R6.1 cw(c860,1235) R6.1@864,1235 ; 864,1223 R6.1@864,1235
pads on no net: ANT1.2 J1.0 J2.0 OLED1.7 OLED1.20 P1.A P1.B SW1.1 U3.13 U5.38 U5.40 U5.41 U5.42 U5.45 U5.46 U7.5 USB1.0 USB1.4

## Polygon pours and split planes (outlines as drawn)
GND on Top Layer "GND_L01_P006" (hatched 90Degree grid 10 track 10, remove dead copper, pour order 6): 469,1138 2063,1138 2063,-1448 2063,-1541 1429,-2175 -1750,-2175 -1761,-2175 -2405,-1541 -2405,-1345 -2405,2033 -2405,2531 469,2531
N_GND on Top Layer "Bottom Layer-No Net" (hatched 45Degree grid 10 track 10, remove dead copper, pour order 16): 583.22,1164 920,1164 1059,1303 1941,1303 1941,2181 1939,2183 1938,2182 581.22,2182
N_GND on Bottom Layer "Bottom Layer-No Net" (hatched 45Degree grid 10 track 10, remove dead copper, pour order 14): 1949,1302 1946,1302 1940,2183 633.32,2183 633.33,1162 918.9,1162 1058.9,1302 1935.33,1302
GND on Bottom Layer "Bottom Layer-No Net" (hatched 45Degree grid 10 track 10, remove dead copper, pour order 12): 1173,1192 1983,1192 1983,1151 1983,-1872 -2045,-1872 -2111,-1938 -2111,2132 463,2132 463,1145 1126,1145

## Keep-outs
Keep-Out Layer:
  lines w10: -1768.04,-1334.68 ccw(c-1185.04,-1240.57) -623.53,-1423.48 ; -1767.8,-1334.63 cw(c4559.19,137.8) -1755.05,1663.99 ; -1759.68,1644.7 cw(c-1183.21,1516.5) -641.75,1752.23 ccw(c-280.77,1909.38) -280.99,1515.68 276.96,1515.37 ccw(c277.18,1909.07) 637.92,1751.39 cw(c1179.04,1514.87) 1763.67,1598.33 cw(c-4565.75,136.36) 1739.64,-1426 ; -1757.45,1654.01 cw(c-1183.21,1516.18) -742.82,1909.63 ; -620.23,-1424.56 ccw(c-6925.61,137.8) -450.95,-389.03 ; -455.33,-440.4 cw(c-1.84,-453.24) 451.83,-453.24 ; 445.27,-376.33 ccw(c6920.95,137.8) 615.57,-1424.56 ; 617.19,-1424.03 ccw(c1178.28,-1239.84) 1760.13,-1340.82

## Other copper
Top Layer:
  rectangle net N_GND: 822,1527 833,1536
  pour cut-out: 1013.66,1583.34 1080.34,1583.34 1080.34,1516.66 1073.44,1516.66 1013.66,1516.66
  region net GND: 155,1333 155,1255 91.12,1255 91,1296.06 139.94,1296.06 140,1333
  pour cut-out: 302,1254.88 302,1371 303,1372 301,1374 91,1374 91,1293 91,1254.88
  pour cut-out: 752.05,635.26 753.01,636.22 753.01,642.15
  region net VCC: 655,9 655,-235 671,-251 749,-173 749,9 729,9 729,-108 675,-108 673,-106 673,9
  pour cut-out: 1021.2,2065.05 1021.2,1775 1329,1775 1329,2068.59
  pour cut-out: 1032,1623 1042,1623 1042,1639.8 1041.55,1640.25 1032.77,1640.25
  pour cut-out: 767.43,631.57 765.85,630 733,630 720,643 738,661 739,661
  pour cut-out: 632,1563 631,1564 631,1715 567,1715 564,1712 564,1563
Bottom Layer:
  pour cut-out: -80,781.42 -80,774 -91,774 -91,781.42
  pour cut-out: -80,780 -81.42,781.42 -87.35,781.42
  pour cut-out: 1022,2068.48 1324,2068.48 1324,1777 1022,1777

## Silkscreen, mask and mechanical layers (free items; w line width, h text height)
Top Overlay:
  text "Sky Remoter" at -1541,1710 h150
  text "V2.0" at -873,1649 h80
  text "ON" at 791,-203 h60
  text "KEY_R" at 1255,-331 h50
  text "KEY_L" at -1421,-338 h50
  text "OFF" at 788,-411 h60
Bottom Overlay:
  text "2017-12-07" at -1013,-746 h100
Bottom Solder:
  rectangle: 1371,1884 1440,1952

## Dimensions
1176,2094 to 1178.28,-1830.39 on Top Overlay
-1946,81 to 1941,138 on Top Overlay

## Text inside footprints (layer, text, board x,y; h text height)
BT1: Top Overlay "+" at 899,402 h100 r180